# Altium PCB BGA_ACUity.PcbDoc (part 1 of 6) (continued)
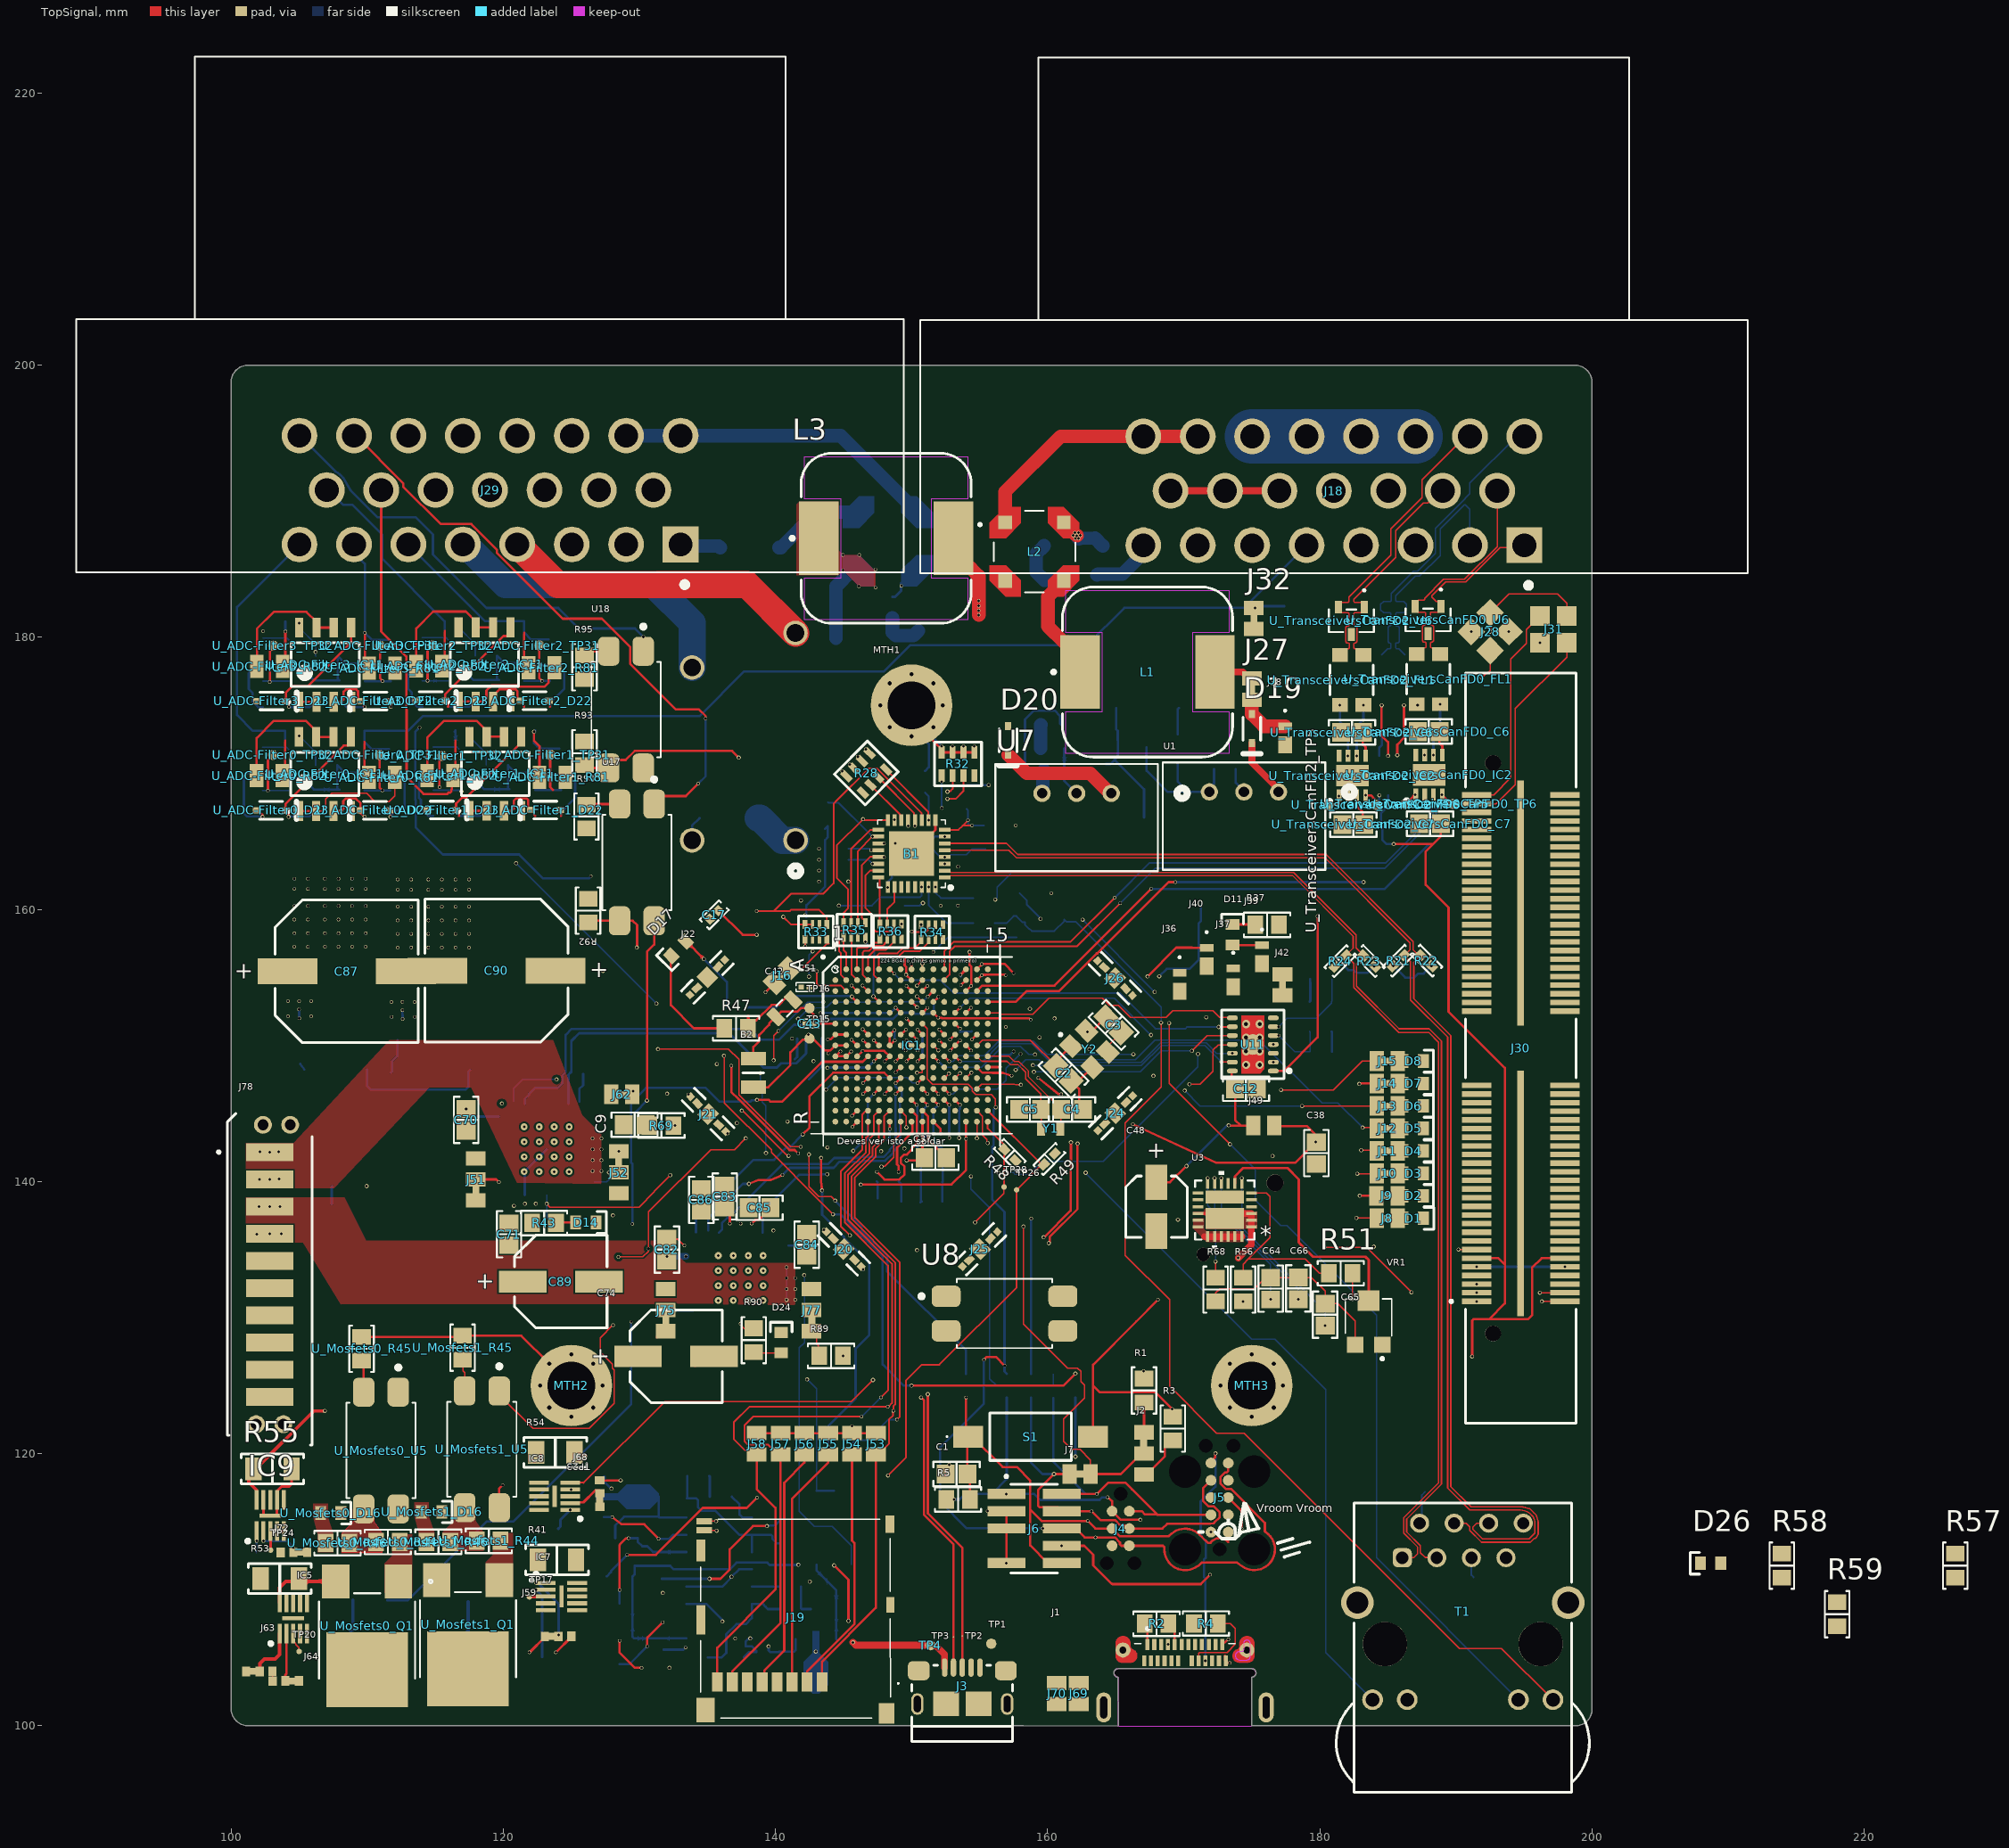
[diagram p0: TopSignal view]
## Design rules (kind name [scope] priority, off if disabled: settings) (continued)
Width "Schematic Width Constraint_14" [InNet('1_0-RX_ER_7')] p10: maxlimit=0.131 minlimit=0.113 preferedwidth=0.131 toplayer_minwidth=0.131 midlayer1_maxwidth=0.113 midlayer1_prefwidth=0.113 midlayer2_maxwidth=0.113 midlayer2_prefwidth=0.113 bottomlayer_minwidth=0.131 impedanceprofiledriven=TRUE impedanceprofileid={45ADB8B1-CB3C-436D-901C-E1781774086E} impedanceprofilevalue=50.000000 minimp=50.000000 maximp=50.000000 favimp=50.000000
Width "Schematic Width Constraint_13" [InNet('RXCLK_7')] p11: maxlimit=0.131 minlimit=0.113 preferedwidth=0.131 toplayer_minwidth=0.131 midlayer1_maxwidth=0.113 midlayer1_prefwidth=0.113 midlayer2_maxwidth=0.113 midlayer2_prefwidth=0.113 bottomlayer_minwidth=0.131 impedanceprofiledriven=TRUE impedanceprofileid={45ADB8B1-CB3C-436D-901C-E1781774086E} impedanceprofilevalue=50.000000 minimp=50.000000 maximp=50.000000 favimp=50.000000
Width "Schematic Width Constraint_11" [InNet('1_0-TXD_EN_7')] p12: maxlimit=0.131 minlimit=0.113 preferedwidth=0.131 toplayer_minwidth=0.131 midlayer1_maxwidth=0.113 midlayer1_prefwidth=0.113 midlayer2_maxwidth=0.113 midlayer2_prefwidth=0.113 bottomlayer_minwidth=0.131 impedanceprofiledriven=TRUE impedanceprofileid={45ADB8B1-CB3C-436D-901C-E1781774086E} impedanceprofilevalue=50.000000 minimp=50.000000 maximp=50.000000 favimp=50.000000
Width "Schematic Width Constraint_10" [InNet('_RXD3_7')] p13: maxlimit=0.131 minlimit=0.113 preferedwidth=0.131 toplayer_minwidth=0.131 midlayer1_maxwidth=0.113 midlayer1_prefwidth=0.113 midlayer2_maxwidth=0.113 midlayer2_prefwidth=0.113 bottomlayer_minwidth=0.131 impedanceprofiledriven=TRUE impedanceprofileid={45ADB8B1-CB3C-436D-901C-E1781774086E} impedanceprofilevalue=50.000000 minimp=50.000000 maximp=50.000000 favimp=50.000000
Width "Schematic Width Constraint_9" [InNet('1_0-INT_7')] p14: maxlimit=0.131 minlimit=0.113 preferedwidth=0.131 toplayer_minwidth=0.131 midlayer1_maxwidth=0.113 midlayer1_prefwidth=0.113 midlayer2_maxwidth=0.113 midlayer2_prefwidth=0.113 bottomlayer_minwidth=0.131 impedanceprofiledriven=TRUE impedanceprofileid={45ADB8B1-CB3C-436D-901C-E1781774086E} impedanceprofilevalue=50.000000 minimp=50.000000 maximp=50.000000 favimp=50.000000
Width "Schematic Width Constraint_8" [InNet('_RXD2_7')] p15: maxlimit=0.131 minlimit=0.113 preferedwidth=0.131 toplayer_minwidth=0.131 midlayer1_maxwidth=0.113 midlayer1_prefwidth=0.113 midlayer2_maxwidth=0.113 midlayer2_prefwidth=0.113 bottomlayer_minwidth=0.131 impedanceprofiledriven=TRUE impedanceprofileid={45ADB8B1-CB3C-436D-901C-E1781774086E} impedanceprofilevalue=50.000000 minimp=50.000000 maximp=50.000000 favimp=50.000000
Width "Schematic Width Constraint_7" [InNet('TXCLK_7')] p16: maxlimit=0.131 minlimit=0.113 preferedwidth=0.131 toplayer_minwidth=0.131 midlayer1_maxwidth=0.113 midlayer1_prefwidth=0.113 midlayer2_maxwidth=0.113 midlayer2_prefwidth=0.113 bottomlayer_minwidth=0.131 impedanceprofiledriven=TRUE impedanceprofileid={45ADB8B1-CB3C-436D-901C-E1781774086E} impedanceprofilevalue=50.000000 minimp=50.000000 maximp=50.000000 favimp=50.000000
Width "Schematic Width Constraint_6" [InNet('1_0-MDIO_7')] p17: maxlimit=0.131 minlimit=0.113 preferedwidth=0.131 toplayer_minwidth=0.131 midlayer1_maxwidth=0.113 midlayer1_prefwidth=0.113 midlayer2_maxwidth=0.113 midlayer2_prefwidth=0.113 bottomlayer_minwidth=0.131 impedanceprofiledriven=TRUE impedanceprofileid={45ADB8B1-CB3C-436D-901C-E1781774086E} impedanceprofilevalue=50.000000 minimp=50.000000 maximp=50.000000 favimp=50.000000
Width "Schematic Width Constraint_5" [InNet('1_0-MDC_7')] p18: maxlimit=0.131 minlimit=0.113 preferedwidth=0.131 toplayer_minwidth=0.131 midlayer1_maxwidth=0.113 midlayer1_prefwidth=0.113 midlayer2_maxwidth=0.113 midlayer2_prefwidth=0.113 bottomlayer_minwidth=0.131 impedanceprofiledriven=TRUE impedanceprofileid={45ADB8B1-CB3C-436D-901C-E1781774086E} impedanceprofilevalue=50.000000 minimp=50.000000 maximp=50.000000 favimp=50.000000
Width "Schematic Width Constraint_4" [InNet('1_1-CLK_7')] p19: maxlimit=0.131 minlimit=0.113 preferedwidth=0.131 toplayer_minwidth=0.131 midlayer1_maxwidth=0.113 midlayer1_prefwidth=0.113 midlayer2_maxwidth=0.113 midlayer2_prefwidth=0.113 bottomlayer_minwidth=0.131 impedanceprofiledriven=TRUE impedanceprofileid={45ADB8B1-CB3C-436D-901C-E1781774086E} impedanceprofilevalue=50.000000 minimp=50.000000 maximp=50.000000 favimp=50.000000
Width "Schematic Width Constraint" [InNet('1_0-RXD_7_P')] p20: maxlimit=0.131 minlimit=0.113 preferedwidth=0.131 toplayer_minwidth=0.131 midlayer1_maxwidth=0.113 midlayer1_prefwidth=0.113 midlayer2_maxwidth=0.113 midlayer2_prefwidth=0.113 bottomlayer_minwidth=0.131 impedanceprofiledriven=TRUE impedanceprofileid={45ADB8B1-CB3C-436D-901C-E1781774086E} impedanceprofilevalue=50.000000 minimp=50.000000 maximp=50.000000 favimp=50.000000
Width "Schematic Width Constraint_55" [InNet('1-TXD_EN')] p21: maxlimit=0.131 minlimit=0.113 preferedwidth=0.131 toplayer_minwidth=0.131 midlayer1_maxwidth=0.113 midlayer1_prefwidth=0.113 midlayer2_maxwidth=0.113 midlayer2_prefwidth=0.113 bottomlayer_minwidth=0.131 impedanceprofiledriven=TRUE impedanceprofileid={45ADB8B1-CB3C-436D-901C-E1781774086E} impedanceprofilevalue=50.000000 minimp=50.000000 maximp=50.000000 favimp=50.000000
Width "Schematic Width Constraint_54" [InNet('1-CLK')] p22: maxlimit=0.131 minlimit=0.113 preferedwidth=0.131 toplayer_minwidth=0.131 midlayer1_maxwidth=0.113 midlayer1_prefwidth=0.113 midlayer2_maxwidth=0.113 midlayer2_prefwidth=0.113 bottomlayer_minwidth=0.131 impedanceprofiledriven=TRUE impedanceprofileid={45ADB8B1-CB3C-436D-901C-E1781774086E} impedanceprofilevalue=50.000000 minimp=50.000000 maximp=50.000000 favimp=50.000000
Width "Schematic Width Constraint_51" [InNet('1-RX_ER')] p23: maxlimit=0.131 minlimit=0.113 preferedwidth=0.131 toplayer_minwidth=0.131 midlayer1_maxwidth=0.113 midlayer1_prefwidth=0.113 midlayer2_maxwidth=0.113 midlayer2_prefwidth=0.113 bottomlayer_minwidth=0.131 impedanceprofiledriven=TRUE impedanceprofileid={45ADB8B1-CB3C-436D-901C-E1781774086E} impedanceprofilevalue=50.000000 minimp=50.000000 maximp=50.000000 favimp=50.000000
Width "Schematic Width Constraint_48" [InNet('1-RXD_N')] p24: maxlimit=0.131 minlimit=0.113 preferedwidth=0.131 toplayer_minwidth=0.131 midlayer1_maxwidth=0.113 midlayer1_prefwidth=0.113 midlayer2_maxwidth=0.113 midlayer2_prefwidth=0.113 bottomlayer_minwidth=0.131 impedanceprofiledriven=TRUE impedanceprofileid={45ADB8B1-CB3C-436D-901C-E1781774086E} impedanceprofilevalue=50.000000 minimp=50.000000 maximp=50.000000 favimp=50.000000
Width "Schematic Width Constraint_42" [InNet('1-TXD_N')] p25: maxlimit=0.131 minlimit=0.113 preferedwidth=0.131 toplayer_minwidth=0.131 midlayer1_maxwidth=0.113 midlayer1_prefwidth=0.113 midlayer2_maxwidth=0.113 midlayer2_prefwidth=0.113 bottomlayer_minwidth=0.131 impedanceprofiledriven=TRUE impedanceprofileid={45ADB8B1-CB3C-436D-901C-E1781774086E} impedanceprofilevalue=50.000000 minimp=50.000000 maximp=50.000000 favimp=50.000000
Width "Schematic Width Constraint_40" [InNet('1-RXD_P')] p26: maxlimit=0.131 minlimit=0.113 preferedwidth=0.131 toplayer_minwidth=0.131 midlayer1_maxwidth=0.113 midlayer1_prefwidth=0.113 midlayer2_maxwidth=0.113 midlayer2_prefwidth=0.113 bottomlayer_minwidth=0.131 impedanceprofiledriven=TRUE impedanceprofileid={45ADB8B1-CB3C-436D-901C-E1781774086E} impedanceprofilevalue=50.000000 minimp=50.000000 maximp=50.000000 favimp=50.000000
Width "Schematic Width Constraint_39" [InNet('NetR27_7')] p27: maxlimit=0.131 minlimit=0.113 preferedwidth=0.131 toplayer_minwidth=0.131 midlayer1_maxwidth=0.113 midlayer1_prefwidth=0.113 midlayer2_maxwidth=0.113 midlayer2_prefwidth=0.113 bottomlayer_minwidth=0.131 impedanceprofiledriven=TRUE impedanceprofileid={45ADB8B1-CB3C-436D-901C-E1781774086E} impedanceprofilevalue=50.000000 minimp=50.000000 maximp=50.000000 favimp=50.000000
Width "Schematic Width Constraint_38" [InNet('NetR28_1')] p28: maxlimit=0.131 minlimit=0.113 preferedwidth=0.131 toplayer_minwidth=0.131 midlayer1_maxwidth=0.113 midlayer1_prefwidth=0.113 midlayer2_maxwidth=0.113 midlayer2_prefwidth=0.113 bottomlayer_minwidth=0.131 impedanceprofiledriven=TRUE impedanceprofileid={45ADB8B1-CB3C-436D-901C-E1781774086E} impedanceprofilevalue=50.000000 minimp=50.000000 maximp=50.000000 favimp=50.000000
Width "Schematic Width Constraint_37" [InNet('1-TXD_P')] p29: maxlimit=0.131 minlimit=0.113 preferedwidth=0.131 toplayer_minwidth=0.131 midlayer1_maxwidth=0.113 midlayer1_prefwidth=0.113 midlayer2_maxwidth=0.113 midlayer2_prefwidth=0.113 bottomlayer_minwidth=0.131 impedanceprofiledriven=TRUE impedanceprofileid={45ADB8B1-CB3C-436D-901C-E1781774086E} impedanceprofilevalue=50.000000 minimp=50.000000 maximp=50.000000 favimp=50.000000
Width "Schematic Width Constraint_32" [InNet('NetR33_7')] p30: maxlimit=0.131 minlimit=0.113 preferedwidth=0.131 toplayer_minwidth=0.131 midlayer1_maxwidth=0.113 midlayer1_prefwidth=0.113 midlayer2_maxwidth=0.113 midlayer2_prefwidth=0.113 bottomlayer_minwidth=0.131 impedanceprofiledriven=TRUE impedanceprofileid={45ADB8B1-CB3C-436D-901C-E1781774086E} impedanceprofilevalue=50.000000 minimp=50.000000 maximp=50.000000 favimp=50.000000
Width "Schematic Width Constraint_31" [InNet('1-CRS_DV')] p31: maxlimit=0.131 minlimit=0.113 preferedwidth=0.131 toplayer_minwidth=0.131 midlayer1_maxwidth=0.113 midlayer1_prefwidth=0.113 midlayer2_maxwidth=0.113 midlayer2_prefwidth=0.113 bottomlayer_minwidth=0.131 impedanceprofiledriven=TRUE impedanceprofileid={45ADB8B1-CB3C-436D-901C-E1781774086E} impedanceprofilevalue=50.000000 minimp=50.000000 maximp=50.000000 favimp=50.000000
Width "Schematic Width Constraint_29" [InNet('NetR33_2')] p32: maxlimit=0.131 minlimit=0.113 preferedwidth=0.131 toplayer_minwidth=0.131 midlayer1_maxwidth=0.113 midlayer1_prefwidth=0.113 midlayer2_maxwidth=0.113 midlayer2_prefwidth=0.113 bottomlayer_minwidth=0.131 impedanceprofiledriven=TRUE impedanceprofileid={45ADB8B1-CB3C-436D-901C-E1781774086E} impedanceprofilevalue=50.000000 minimp=50.000000 maximp=50.000000 favimp=50.000000
Width "Schematic Width Constraint_28" [InNet('NetR33_3')] p33: maxlimit=0.131 minlimit=0.113 preferedwidth=0.131 toplayer_minwidth=0.131 midlayer1_maxwidth=0.113 midlayer1_prefwidth=0.113 midlayer2_maxwidth=0.113 midlayer2_prefwidth=0.113 bottomlayer_minwidth=0.131 impedanceprofiledriven=TRUE impedanceprofileid={45ADB8B1-CB3C-436D-901C-E1781774086E} impedanceprofilevalue=50.000000 minimp=50.000000 maximp=50.000000 favimp=50.000000
Width "Schematic Width Constraint_25" [InNet('1-MDIO')] p34: maxlimit=0.131 minlimit=0.113 preferedwidth=0.131 toplayer_minwidth=0.131 midlayer1_maxwidth=0.113 midlayer1_prefwidth=0.113 midlayer2_maxwidth=0.113 midlayer2_prefwidth=0.113 bottomlayer_minwidth=0.131 impedanceprofiledriven=TRUE impedanceprofileid={45ADB8B1-CB3C-436D-901C-E1781774086E} impedanceprofilevalue=50.000000 minimp=50.000000 maximp=50.000000 favimp=50.000000
Width "Schematic Width Constraint_21" [InNet('1-INT')] p35: maxlimit=0.131 minlimit=0.113 preferedwidth=0.131 toplayer_minwidth=0.131 midlayer1_maxwidth=0.113 midlayer1_prefwidth=0.113 midlayer2_maxwidth=0.113 midlayer2_prefwidth=0.113 bottomlayer_minwidth=0.131 impedanceprofiledriven=TRUE impedanceprofileid={45ADB8B1-CB3C-436D-901C-E1781774086E} impedanceprofilevalue=50.000000 minimp=50.000000 maximp=50.000000 favimp=50.000000
Width "Schematic Width Constraint_20" [InNet('1-MDC')] p36: maxlimit=0.131 minlimit=0.113 preferedwidth=0.131 toplayer_minwidth=0.131 midlayer1_maxwidth=0.113 midlayer1_prefwidth=0.113 midlayer2_maxwidth=0.113 midlayer2_prefwidth=0.113 bottomlayer_minwidth=0.131 impedanceprofiledriven=TRUE impedanceprofileid={45ADB8B1-CB3C-436D-901C-E1781774086E} impedanceprofilevalue=50.000000 minimp=50.000000 maximp=50.000000 favimp=50.000000
Width "Schematic Width Constraint_16" [InNet('1-EXOUT')] p37: maxlimit=0.131 minlimit=0.113 preferedwidth=0.131 toplayer_minwidth=0.131 midlayer1_maxwidth=0.113 midlayer1_prefwidth=0.113 midlayer2_maxwidth=0.113 midlayer2_prefwidth=0.113 bottomlayer_minwidth=0.131 impedanceprofiledriven=TRUE impedanceprofileid={45ADB8B1-CB3C-436D-901C-E1781774086E} impedanceprofilevalue=50.000000 minimp=50.000000 maximp=50.000000 favimp=50.000000
Width "Schematic Width Constraint_18" [InNet('NetR32_8')] p38: maxlimit=0.131 minlimit=0.113 preferedwidth=0.131 toplayer_minwidth=0.131 midlayer1_maxwidth=0.113 midlayer1_prefwidth=0.113 midlayer2_maxwidth=0.113 midlayer2_prefwidth=0.113 bottomlayer_minwidth=0.131 impedanceprofiledriven=TRUE impedanceprofileid={45ADB8B1-CB3C-436D-901C-E1781774086E} impedanceprofilevalue=50.000000 minimp=50.000000 maximp=50.000000 favimp=50.000000
Width "Schematic Width Constraint_12" [InNet('NetB1_8')] p39: maxlimit=0.131 minlimit=0.113 preferedwidth=0.131 toplayer_minwidth=0.131 midlayer1_maxwidth=0.113 midlayer1_prefwidth=0.113 midlayer2_maxwidth=0.113 midlayer2_prefwidth=0.113 bottomlayer_minwidth=0.131 impedanceprofiledriven=TRUE impedanceprofileid={45ADB8B1-CB3C-436D-901C-E1781774086E} impedanceprofilevalue=50.000000 minimp=50.000000 maximp=50.000000 favimp=50.000000
Width "Schematic Width Constraint_3" [InNet('NetB1_27')] p40: maxlimit=0.131 minlimit=0.113 preferedwidth=0.131 toplayer_minwidth=0.131 midlayer1_maxwidth=0.113 midlayer1_prefwidth=0.113 midlayer2_maxwidth=0.113 midlayer2_prefwidth=0.113 bottomlayer_minwidth=0.131 impedanceprofiledriven=TRUE impedanceprofileid={45ADB8B1-CB3C-436D-901C-E1781774086E} impedanceprofilevalue=50.000000 minimp=50.000000 maximp=50.000000 favimp=50.000000
Width "Schematic Width Constraint_2" [InNet('NetB1_28')] p41: maxlimit=0.131 minlimit=0.113 preferedwidth=0.131 toplayer_minwidth=0.131 midlayer1_maxwidth=0.113 midlayer1_prefwidth=0.113 midlayer2_maxwidth=0.113 midlayer2_prefwidth=0.113 bottomlayer_minwidth=0.131 impedanceprofiledriven=TRUE impedanceprofileid={45ADB8B1-CB3C-436D-901C-E1781774086E} impedanceprofilevalue=50.000000 minimp=50.000000 maximp=50.000000 favimp=50.000000
Width [All] p42: maxlimit=22 minlimit=0.09 preferedwidth=0.09 minimp=50.000000 maximp=50.000000 favimp=50.000000
20 further rules are at their usual default settings.

## Classes and differential pairs
net class CAN_L[0..2]: CAN_L0 CAN_L1 CAN_L2
net class CAN_H[0..2]: CAN_H0 CAN_H1 CAN_H2
channel class TransceiversCanFD: U_TransceiversCanFD0 U_TransceiversCanFD1 U_TransceiversCanFD2
net class TX_CAN[0..2]: TX_CAN0 TX_CAN1 TX_CAN2
net class RX_CAN[0..2]: RX_CAN0 RX_CAN1 RX_CAN2
component class U_TransceiversCanFD2: U_TransceiversCanFD2_C6 U_TransceiversCanFD2_C7 U_TransceiversCanFD2_FL1 U_TransceiversCanFD2_IC2 U_TransceiversCanFD2_TP5 U_TransceiversCanFD2_TP6 U_TransceiversCanFD2_U6
component class U_TransceiversCanFD1: U_TransceiversCanFD1_C6 U_TransceiversCanFD1_C7 U_TransceiversCanFD1_FL1 U_TransceiversCanFD1_IC2 U_TransceiversCanFD1_TP5 U_TransceiversCanFD1_TP6 U_TransceiversCanFD1_U6
component class U_TransceiversCanFD0: U_TransceiversCanFD0_C6 U_TransceiversCanFD0_C7 U_TransceiversCanFD0_FL1 U_TransceiversCanFD0_IC2 U_TransceiversCanFD0_TP5 U_TransceiversCanFD0_TP6 U_TransceiversCanFD0_U6
differential pair class ETH_B: TP_B
differential pair class ETH_A: TP_A
channel class Mosfets: U_Mosfets0 U_Mosfets1 U_Mosfets2 U_Mosfets3 U_Mosfets4 U_Mosfets5
net class GND_SENSED[0..5]: GND_SENSED0 GND_SENSED1 GND_SENSED2 GND_SENSED3 POWER_GND
component class U_Mosfets5: U_Mosfets5_D16 U_Mosfets5_Q1 U_Mosfets5_R44 U_Mosfets5_R45 U_Mosfets5_R46 U_Mosfets5_U5
component class U_Mosfets4: U_Mosfets4_D16 U_Mosfets4_Q1 U_Mosfets4_R44 U_Mosfets4_R45 U_Mosfets4_R46 U_Mosfets4_U5
component class U_Mosfets3: U_Mosfets3_D16 U_Mosfets3_Q1 U_Mosfets3_R44 U_Mosfets3_R45 U_Mosfets3_R46 U_Mosfets3_U5
component class U_Mosfets2: U_Mosfets2_D16 U_Mosfets2_Q1 U_Mosfets2_R44 U_Mosfets2_R45 U_Mosfets2_R46 U_Mosfets2_U5
component class U_Mosfets1: U_Mosfets1_D16 U_Mosfets1_Q1 U_Mosfets1_R44 U_Mosfets1_R45 U_Mosfets1_R46 U_Mosfets1_U5
component class U_Mosfets0: U_Mosfets0_D16 U_Mosfets0_Q1 U_Mosfets0_R44 U_Mosfets0_R45 U_Mosfets0_R46 U_Mosfets0_U5
component class "H-Bridge 1": C74 C82 C83 C84 C85 C86 C87 D24 J75 J76 J77 R69 R89 R90 U16
component class "H-Bridge 0": C9 C70 C71 C72 C73 C89 C90 D14 J51 J52 J62 R39 R42 R43 U2
component class "eFuse Power": C64 C65 C66 R51 R56 R68 U3 VR1
channel class ADC-Filter: U_ADC-Filter0 U_ADC-Filter1 U_ADC-Filter2 U_ADC-Filter3
net class AN_ADC_B[0..3]: AN_ADC_B0 AN_ADC_B1 AN_ADC_B2 AN_ADC_B3
net class AN_ADC_A[0..3]: AN_ADC_A0 AN_ADC_A1 AN_ADC_A2 AN_ADC_A3
net class ADC_B[0..3]: ADC_B0 ADC_B1 ADC_B2 ADC_B3
net class ADC_A[0..3]: ADC_A0 ADC_A1 ADC_A2 ADC_A3
component class U_ADC-Filter3: U_ADC-Filter3_C78 U_ADC-Filter3_C79 U_ADC-Filter3_C80 U_ADC-Filter3_C81 U_ADC-Filter3_C88 U_ADC-Filter3_D22 U_ADC-Filter3_D23 U_ADC-Filter3_IC11 U_ADC-Filter3_R81 U_ADC-Filter3_R82 U_ADC-Filter3_R83 U_ADC-Filter3_R84 U_ADC-Filter3_R85 U_ADC-Filter3_R86 U_ADC-Filter3_R87 U_ADC-Filter3_R88 U_ADC-Filter3_TP29 U_ADC-Filter3_TP30 U_ADC-Filter3_TP31 U_ADC-Filter3_TP32
component class U_ADC-Filter2: U_ADC-Filter2_C78 U_ADC-Filter2_C79 U_ADC-Filter2_C80 U_ADC-Filter2_C81 U_ADC-Filter2_C88 U_ADC-Filter2_D22 U_ADC-Filter2_D23 U_ADC-Filter2_IC11 U_ADC-Filter2_R81 U_ADC-Filter2_R82 U_ADC-Filter2_R83 U_ADC-Filter2_R84 U_ADC-Filter2_R85 U_ADC-Filter2_R86 U_ADC-Filter2_R87 U_ADC-Filter2_R88 U_ADC-Filter2_TP29 U_ADC-Filter2_TP30 U_ADC-Filter2_TP31 U_ADC-Filter2_TP32
component class U_ADC-Filter1: U_ADC-Filter1_C78 U_ADC-Filter1_C79 U_ADC-Filter1_C80 U_ADC-Filter1_C81 U_ADC-Filter1_C88 U_ADC-Filter1_D22 U_ADC-Filter1_D23 U_ADC-Filter1_IC11 U_ADC-Filter1_R81 U_ADC-Filter1_R82 U_ADC-Filter1_R83 U_ADC-Filter1_R84 U_ADC-Filter1_R85 U_ADC-Filter1_R86 U_ADC-Filter1_R87 U_ADC-Filter1_R88 U_ADC-Filter1_TP29 U_ADC-Filter1_TP30 U_ADC-Filter1_TP31 U_ADC-Filter1_TP32
component class U_ADC-Filter0: U_ADC-Filter0_C78 U_ADC-Filter0_C79 U_ADC-Filter0_C80 U_ADC-Filter0_C81 U_ADC-Filter0_C88 U_ADC-Filter0_D22 U_ADC-Filter0_D23 U_ADC-Filter0_IC11 U_ADC-Filter0_R81 U_ADC-Filter0_R82 U_ADC-Filter0_R83 U_ADC-Filter0_R84 U_ADC-Filter0_R85 U_ADC-Filter0_R86 U_ADC-Filter0_R87 U_ADC-Filter0_R88 U_ADC-Filter0_TP29 U_ADC-Filter0_TP30 U_ADC-Filter0_TP31 U_ADC-Filter0_TP32
net class MOSFETS[0..5]: MOSFETS0 MOSFETS1 MOSFETS2 MOSFETS3 MOSFETS4 MOSFETS5
net class LED[0..7]: LED0 LED1 LED2 LED3 LED4 LED5 LED6 LED7
net class IRQ[0..2]: IRQ0 IRQ1 IRQ2
net class ACT_CMOSIG[0..5]: ACT_CMOSIG0 ACT_CMOSIG1 ACT_CMOSIG2 ACT_CMOSIG3 ACT_CMOSIG4 ACT_CMOSIG5
component class U_Watchdog: 1 C67 C69 C75 C76 C77 IC10 Q7 Q8 Q9 Q10 Q11 Q12 Q13 R52 R70 R71 R72 R73 R74 R75 R76 R77 R78 R79 R80 U4 U15
component class U_Power: B2 BT1 C10 C26 C27 C29 C31 C33 C34 C35 C36 C37 C38 C39 C40 C41 C42 C43 C44 C45 C46 C47 C48 C49 C50 C51 C52 C53 C54 C55 C56 C58 C59 C60 C61 C62 C63 D10 D11 D12 D13 D18 D19 F1 IC6 J27 J32 J36 J37 J38 J39 J40 J42 J43 J44 J45 J46 J47 J48 J49 L1 L2 R37 R40 TP15 TP16 U1
component class U_JTAG: C1 J1 J2 J3 J4 J5 J6 J7 R1 R2 R3 R4 R5 R6 R7 R8 R9 R10 S1 TP1 TP2 TP3 TP4
component class U_HighSpeedInterfaces: B1 C8 C15 C16 C17 C18 C19 C20 C21 C22 C23 C24 C25 D9 J33 J34 J35 R19 R20 R21 R22 R23 R24 R25 R26 R27 R28 R29 R30 R31 R32 R33 R34 R35 R36 R38 TP14 Y4
component class Repeat(U_DrivePower): C9 C11 C28 C57 C64 C65 C66 C70 C71 C72 C73 C74 C82 C83 C84 C85 C86 C87 C89 C90 D14 D20 D21 D24 D25 D26 IC5 IC7 IC8 IC9 IC12 J51 J52 J59 J60 J62 J63 J64 J66 J67 J68 J71 J72 J75 J76 J77 J79 L3 L4 R39 R41 R42 R43 R50 R51 R53 R54 R55 R56 R57 R58 R59 R68 R69 R89 R90 R92 R93 R94 R95 TP17 TP20 TP23 TP24 TP26 TP28 U2 U3 U7 U8 U16 U17 U18 VR1
component class U_Connectors: D15 J18 J19 J20 J21 J22 J24 J25 J26 J28 J29 J30 J31 J53 J54 J55 J56 J57 J58 J69 J70 J78 K1 MTH1 MTH2 MTH3 T1
component class U_CanFD: C12 C13 C14 U11 Y3
component class U_Board: C2 C3 C4 C5 D1 D2 D3 D4 D5 D6 D7 D8 D17 IC1 J8 J9 J10 J11 J12 J13 J14 J15 J16 J17 R11 R12 R13 R14 R15 R16 R17 R18 R47 R48 R49 Y1 Y2
differential pair CAN2: +CAN_H2 -CAN_L2
differential pair CAN1: +CAN_H1 -CAN_L1
differential pair CAN0: +CAN_H0 -CAN_L0
differential pair TP_B: +TP_B_P -TP_B_N
differential pair TP_A: +TP_A_P -TP_A_N
differential pair USB_DEBUG: +USB_DEBUG_P -USB_DEBUG_N

## Components (designator, comment, footprint, x,y, rotation, side; value= is the part's Value field where it differs from the comment)
1 "10k" RESC2013X50X30LL20T20 143.408,110.229 r0 bottom
B1 "1894K-32LF" 1894K-32LF 150,164.1 r180 top
B2 "0805AF-222XJRC" INDC2317X152N 138.379,147.98 r90 top
BT1 "S8411-45R" FP-S8411-45R-MFG 173.907,137.107 r315 bottom
C1 "1uF" "CAP 0805_2012"#1 153.305,118.5 r0 top value="1 µF"
C2 "15pF" "CAP 0805_2012"#1 161.163,147.955 r135 top value="15 pF"
C3 "15pF" "CAP 0805_2012"#2 164.846,151.511 r315 top value="15 pF"
C4 "15pF" "CAP 0805_2012"#1 161.787,145.299 r180 top value="15 pF"
C5 "15pF" "CAP 0805_2012"#1 158.701,145.299 r0 top value="15 pF"
C8 "0.1 µF" "CAP 0402_1005" 148.365,164.85 r180 bottom
C9 "0.1uF" "CAP 0805_2012"#1 129.65,144.175 r180 top value=100nF
C10 "0.1uF 0805" "CAP 0805_2012"#1 141.681,145.847 r0 bottom value="10 µF"
C11 "10 µF" "CAP 0805_2012"#1 144.45,179.121 r90 bottom
C12 "0.1 µF" "CAP 0805_2012"#1 174.575,146.825 r180 top
C13 "15 pF" "CAP 0805_2012"#1 180.093,154.876 r0 bottom
C14 "15 pF" "CAP 0805_2012"#1 180.093,149.542 r180 bottom
C15 "0.1 µF" "CAP 0402_1005" 153.416,163.576 r90 bottom
C16 "0.1 µF" "CAP 0402_1005" 148.844,162.941 r225 bottom
C17 "0.1 µF" "CAP 0402_1005" 135.5,159.6 r45 top
C18 "2.2 µF" "CAP 0805_2012"#1 155.475,163.65 r90 bottom
C19 "0.1 µF" "CAP 0402_1005" 188.175,117.2 r180 bottom
C20 "0.1 µF" "CAP 0402_1005" 182.702,154.891 r90 bottom
C21 "0.1 µF" "CAP 0402_1005" 191.075,110.4 r90 bottom
C22 "0.1 µF" "CAP 0402_1005" 186.9,154.543 r90 bottom
C23 "10 µF" "CAP 0805_2012"#1 151,169.375 r90 bottom
C24 "15 pF" "CAP 0402_1005" 144.145,160.274 r180 bottom
C25 "0.1 µF" "CAP 0402_1005" 151.003,164.973 r225 bottom
C26 "10 µF" "CAP 0805_2012"#1 175.146,180.086 r90 bottom
C27 "10 µF" "CAP 0805_2012"#1 177.394,181.483 r270 bottom
C28 "10 µF" "CAP 0805_2012"#1 150.499,181.274 r90 bottom
C29 "10 µF" "CAP 0805_2012"#1 173.025,170.307 r180 bottom
C31 "10u" CAP_0805 168.224,166.751 r180 bottom
C33 "10u" CAP_0805 164.167,163.993 r180 bottom
C34 "0.1uF" "CAP 0805_2012"#1 148.25,140 r0 bottom value=100nF
C35 "0.1uF" "CAP 0805_2012"#1 151.5,141.75 r180 bottom value=100nF
C36 "2.2uF" "CAP 0805_2012"#1 151.5,140 r180 bottom value="2.2 µF"
C37 "0.1uF" "CAP 0805_2012"#1 151.75,141.75 r180 top value=100nF
C38 "0.1uF" "CAP 0805_2012"#1 179.745,142.087 r90 top value=100nF
C39 "0.1uF" "CAP 0805_2012"#1 141.656,147.498 r0 bottom value=100nF
C40 "0.22 µF" "CAP 0201_0603" 149.6,156.013 r180 bottom
C41 "Capacitor 22µF +/-40% 16V 0805" CAPC0805(2012)145_L 142.5,150.507 r0 bottom value=22µF
C42 "47uF" CAPC0805(2012)145_L 140.667,152.732 r45 top value=47µF
C43 "0.22 µF" "CAP 0201_0603" 142.5,151.6 r180 top
C44 "0.22 µF" "CAP 0201_0603" 147.777,143.053 r180 bottom
C45 "0.22 µF" "CAP 0201_0603" 149.192,151.13 r0 bottom
C46 "0.22 µF" "CAP 0201_0603" 149.2,150.4 r0 bottom
C47 "0.22 µF" "CAP 0201_0603" 156.489,148.861 r90 bottom
C48 "10uF" WCAP-ASLL_D4H5.5 167.996,138.151 r90 top
C49 "0.1 µF" "CAP 0201_0603" 145.878,149.568 r0 bottom
C50 "0.1 µF" "CAP 0201_0603" 153.568,150.678 r90 bottom
C51 "0.1 µF" "CAP 0201_0603" 142.189,154.28 r0 top
C52 "0.1 µF" "CAP 0201_0603" 145.661,144.339 r90 bottom
C53 "0.1 µF" "CAP 0201_0603" 148.522,148.832 r180 bottom
C54 "0.1 µF" "CAP 0201_0603" 150.368,150.742 r90 bottom
C55 "0.1 µF" "CAP 0201_0603" 152.832,149.911 r90 bottom
C56 "0.1 µF" "CAP 0201_0603" 149.942,148.832 r0 bottom
C57 "10 µF" "CAP 0805_2012"#1 160.528,170.231 r180 bottom
C58 "0.1 µF" "CAP 0201_0603" 149.878,149.632 r0 bottom
C59 "10uF" "CAP 0805_2012"#1 162.361,151.571 r135 bottom value="10 µF"
C60 "0.1 µF" "CAP 0201_0603" 154.432,150.742 r90 bottom
C61 "0.1 µF" "CAP 0201_0603" 156.921,151.669 r90 bottom
C62 "0.1 µF" "CAP 0201_0603" 153.632,154.742 r90 bottom
C63 "10uF" "CAP 0805_2012"#1 159.461,156.007 r180 bottom value="10 µF"
C64 "0.1uF" "CAP 0805_2012"#1 176.385,132.128 r90 top value=100nF
C65 "0.1uF" "CAP 0805_2012"#1 180.391,130.215 r90 top value=100nF
C66 "0.1uF" "CAP 0805_2012"#1 178.414,132.144 r90 top value=100nF
C67 "47uF" FP-0805-L_2_01_0_2-W_1_25-IPC_B 134.333,118.357 r180 bottom
C69 "10nF" FP-0805-L_2_01_0_2-W_1_25-IPC_B 135.984,116.833 r0 bottom
C70 "0.1uF" "CAP 0805_2012"#1 117.275,144.525 r270 top value=100nF
C71 "0.1uF" "CAP 0805_2012"#1 120.425,136.125 r90 top value=100nF
C72 "0.1uF" "CAP 0805_2012"#1 123.65,149.525 r270 bottom value=100nF
C73 "0.1uF" "CAP 0805_2012"#1 120.75,148.65 r180 bottom value=100nF
C74 "47uF" WCAP-ASLL_D6.3H7.7 132.7,127.15 r180 top
C75 "1uF" FP-0805-L_2_01_0_2-W_1_25-IPC_B 143.408,108.578 r0 bottom
C76 "47uF" FP-0805-L_2_01_0_2-W_1_25-IPC_B 141.122,108.578 r180 bottom
C77 "10nF" FP-0805-L_2_01_0_2-W_1_25-IPC_B 141.064,110.229 r180 bottom
C82 "0.1uF" "CAP 0805_2012"#1 132.025,135 r270 top value=100nF
C83 "0.1uF" "CAP 0805_2012"#1 136.275,138.9 r270 top value=100nF
C84 "0.1uF" "CAP 0805_2012"#1 142.3,135.35 r270 top value=100nF
C85 "0.1uF" "CAP 0805_2012"#1 138.825,138.075 r0 top value=100nF
C86 "0.1uF" "CAP 0805_2012"#1 134.55,138.65 r270 top value=100nF
C87 "220uF" WCAP-ASLL_D10H10.5 108.5,155.45 r180 top
C89 "47uF" WCAP-ASLL_D6.3H7.7 124.225,132.65 r180 top
C90 "220uF" WCAP-ASLL_D10H10.5 119.5,155.5 r0 top
D1 "RED" LED_0603_RED 186.862,137.297 r180 top
D2 "RED" LED_0603_RED 186.85,138.948 r180 top
D3 "RED" LED_0603_RED 186.85,140.599 r180 top
D4 "RED" LED_0603_RED 186.85,142.25 r180 top
D5 "RED" LED_0603_RED 186.85,143.901 r180 top
D6 "RED" LED_0603_RED 186.85,145.552 r180 top
D7 "RED" LED_0603_RED 186.85,147.203 r180 top
D8 "RED" LED_0603_RED 186.85,148.854 r180 top
D9 "1N4148W-G3-08" SOD3716X135N 151.13,160.274 r180 bottom
D10 "3SMBJ5938B-TP" "DO214AA SMB" 161.9,186.715 r0 bottom
D11 "RED" LED_0603_RED 173.584,158.14 r270 top
D12 "1N4148WS-7-F" DIOD-SOD323-2-A_V 169.545,171.806 r90 bottom
D13 "RED" LED_0603_RED 144.374,132.131 r270 bottom
D14 "RED" LED_0603_RED 126.075,137 r180 top
D15 "3SMBJ5938B-TP" "DO214AA SMB" 136.575,166.7 r0 bottom
D17 "RED" LED_0603_RED 132.881,157.119 r45 top
D18 "1N4148WS-7-F" DIOD-SOD323-2-A_V 166.218,171.907 r0 bottom
D19 "1N4148WS-7-F" DIOD-SOD323-2-A_V 175,173.287 r270 top
D20 "1N4148WS-7-F" DIOD-SOD323-2-A_V 157.099,172.415 r270 top
D21 "3SMBJ5938B-TP" "DO214AA SMB" 138.1,186.588 r0 bottom
D24 "RED" LED_0603_RED 140.419,128.155 r270 top
D25 "RED" LED_0603_RED 160.249,173.569 r0 bottom
D26 "RED" LED_0603_RED 208.711,111.949 r0 top
F1 "F1206" FUSE_1206 162.204,184.226 r180 bottom
IC1 "R7FA8M1AHECBD#UC0" RA8M1_BGA 143.472,156.502 r0 top locked
IC5 "TSC1641IQT" SON50P300X300X100-11N-D 104.572,107.918 r90 top
IC6 "MIC5239-3.3YS-TR" SOT230P700X180-4N 167.335,177.944 r90 bottom
IC7 "TSC1641IQT" SON50P300X300X100-11N-D 124.28,109.499 r0 top
IC8 "TSC1641IQT" SON50P300X300X100-11N-D 123.774,116.865 r180 top
IC9 "TSC1641IQT" SON50P300X300X100-11N-D 102.879,115.45 r90 top
IC10 "MCP6052-E_SN" SOIC127P600X175-8N 143.662,114.547 r90 bottom
J1 "1-2295018-2" TE_1-2295018-2 170.088,101.346 r0 top
J2 "A solder Bridge" "Solder Bridge 805 switch" 167.056,120.79 r270 top
J3 "10118193-0001LF" "FCI USB 10118193-0001LF" 153.727,101.65 r180 top
J4 "PlugOfNeedles6" "Pluck-Of-Needles 6 POS naked" 165.365,117.04 r270 top
J5 "Jtag 10 pin" "Pluck-Of-Needles 10 POS" 172.635,112.96 r90 top
J6 "FTSH-105-01-L-DV-007" SAMTEC_FTSH-105-01-L-DV-007 159,114.5 r270 top
J7 "A solder Bridge" "Solder Bridge 805" 162.373,118.5 r180 top
J8 "A solder Bridge" "Solder Bridge 805" 184.945,137.297 r0 top
J9 "A solder Bridge" "Solder Bridge 805" 184.932,138.948 r0 top
J10 "A solder Bridge" "Solder Bridge 805" 184.945,140.599 r0 top
J11 "A solder Bridge" "Solder Bridge 805" 184.945,142.25 r180 top
J12 "A solder Bridge" "Solder Bridge 805" 184.945,143.901 r0 top
J13 "A solder Bridge" "Solder Bridge 805" 184.945,145.552 r0 top
J14 "A solder Bridge" "Solder Bridge 805" 184.945,147.203 r0 top
J15 "A solder Bridge" "Solder Bridge 805" 184.945,148.854 r0 top
J16 "A solder Bridge" "Solder Bridge 805" 140.475,155.125 r45 top
J17 "A solder Bridge" "Solder Bridge 805" 137.2,152.8 r0 bottom
J18 "1-776087-5" 1-776087-5 180.901,191.016 r180 top locked
J19 "2201778-1" 22017781 139.552,107.864 r0 top
J20 "S0951-46R" FP-S0951-46R-MFG 145.025,135.025 r45 top
J21 "S0951-46R" FP-S0951-46R-MFG 135.05,144.95 r45 top
J22 "S0951-46R" FP-S0951-46R-MFG 135,155 r315 top
J24 "S0951-46R" FP-S0951-46R-MFG 164.975,145.025 r135 top
J25 "S0951-46R" FP-S0951-46R-MFG 155.025,135.025 r315 top
J26 "S0951-46R" FP-S0951-46R-MFG 164.95,154.95 r45 top
J27 "A solder Bridge" "Solder Bridge 805" 175,176.191 r90 top
J28 "Non Default Version" "PokaYoke Blank" 191.827,181.108 r45 top
J29 "1-776087-1" 1-776087-5 118.904,191.072 r180 top locked
J30 "QFS-052-04.25-XX-D-A-GP" SAMTEC_QFS-052-04.25-XX-D-A-GP 194.754,149.796 r90 top
J31 "Non Default Version" "PokaYoke Blank" 198.139,180.568 r270 top
J32 "A solder Bridge" "Solder Bridge 805" 175.146,181.386 r90 top
J33 "A solder Bridge" "Solder Bridge 805" 155.325,159 r0 bottom
J34 "A solder Bridge" "Solder Bridge 805" 155.3,160.825 r0 bottom
J35 "A solder Bridge" "Solder Bridge 805" 157.7,158.725 r90 bottom
J36 "S7221-45R" S722145R 169.697,154.33 r270 top
J37 "S7221-45R" S722145R 173.634,154.661 r270 top
J38 "S7221-45R" S722145R 177.444,172.457 r270 top
J39 "S7221-45R" S722145R 175.743,156.362 r270 top
J40 "S7221-45R" S722145R 171.679,156.179 r270 top
J42 "A solder Bridge" "Solder Bridge 805" 177.258,154.464 r90 top
J43 "A solder Bridge" "Solder Bridge 805" 147.25,137.75 r270 bottom
J44 "A solder Bridge" "Solder Bridge 805" 154.35,141.75 r0 bottom